# Altium PCB oai_cm_ext.PcbDoc
Units mm, origin at the board's own origin, x right, y up, seen from the top; angles counter-clockwise.
Board outline 124 x 75.52 mm, 4 copper layers (Top Layer, Signal Layer 1, Internal Plane 1, Bottom Layer), stack 1.48 mm thick; 144 components, 259 nets, 1062 pads, 0 vias.
Unrouted connection lines stored in the file: 360.
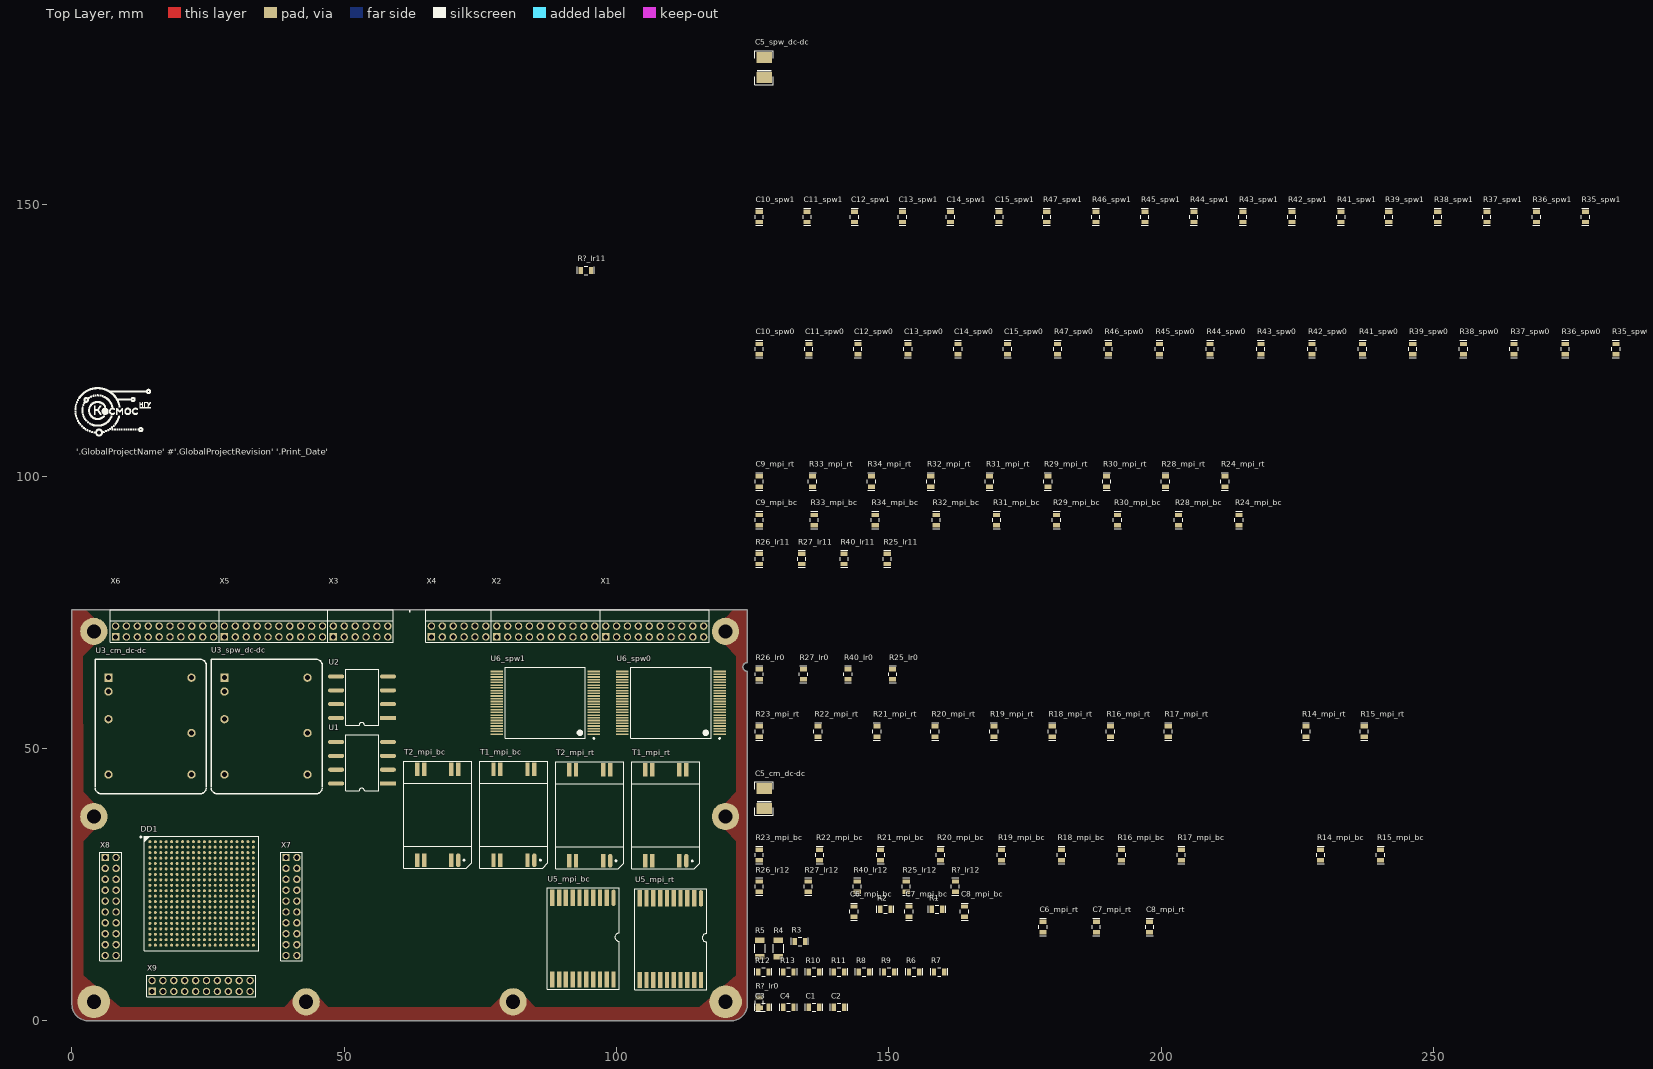
[diagram p0: Top Layer view]
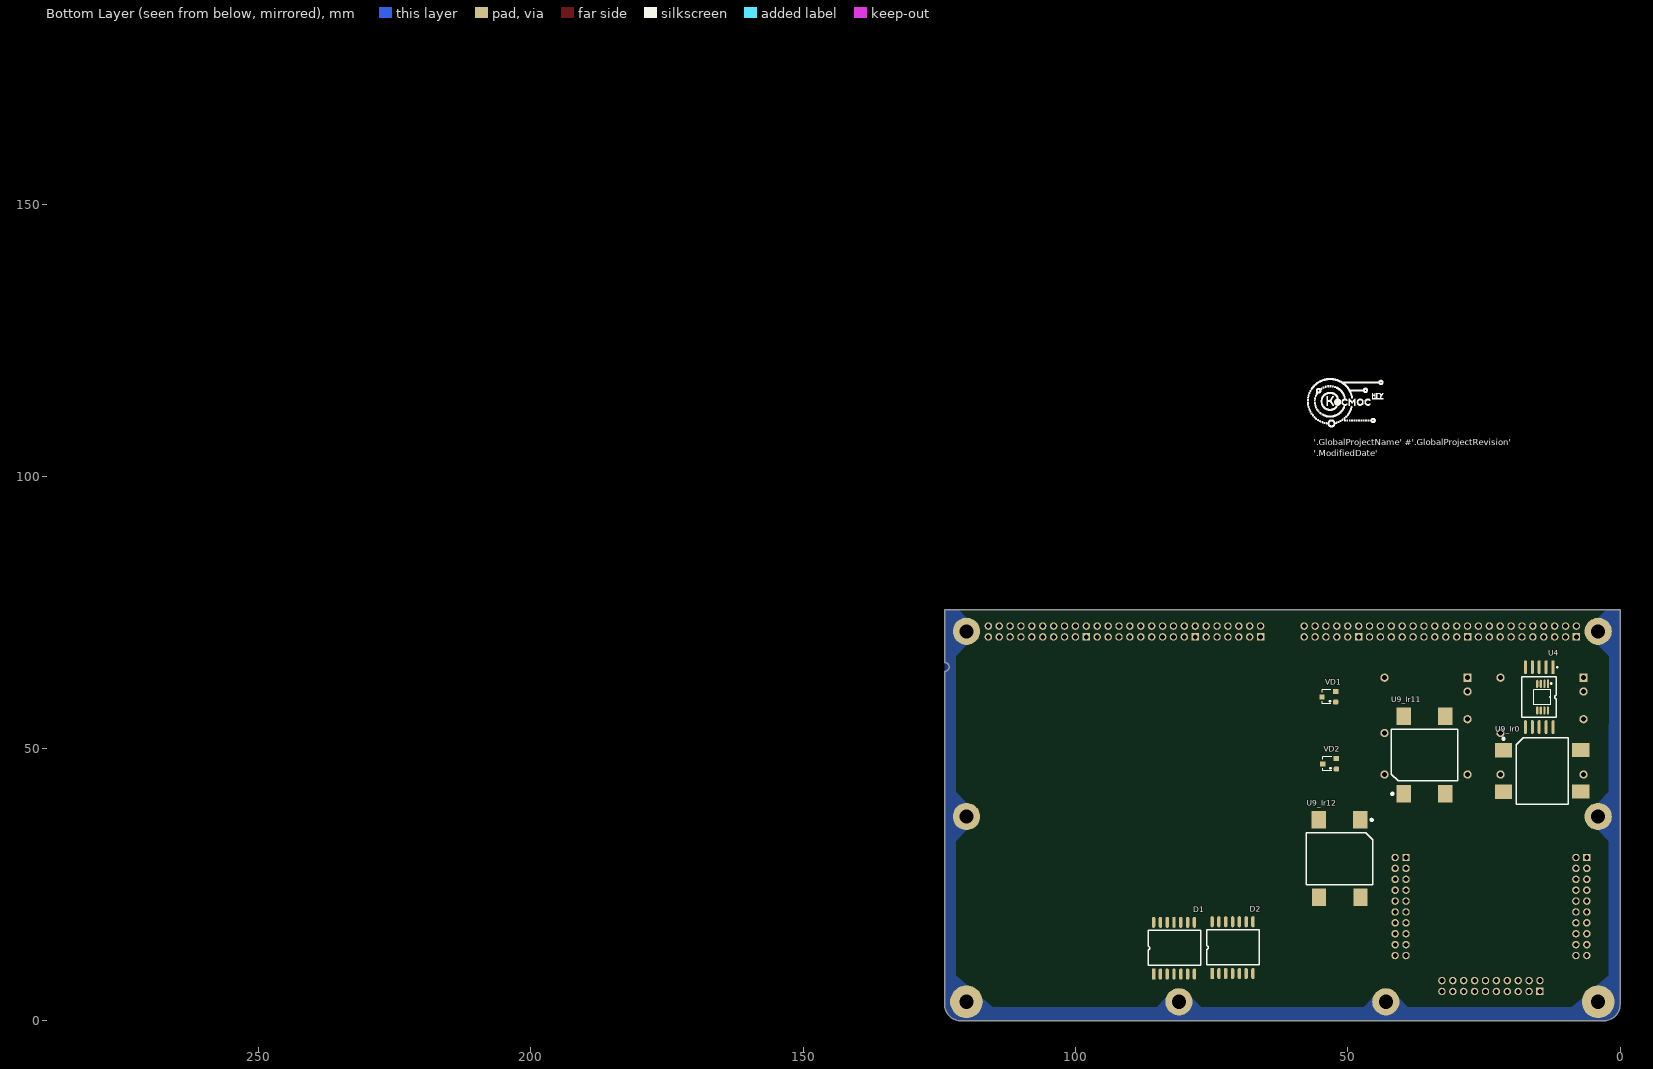
[diagram p1: Bottom Layer view, seen from below]
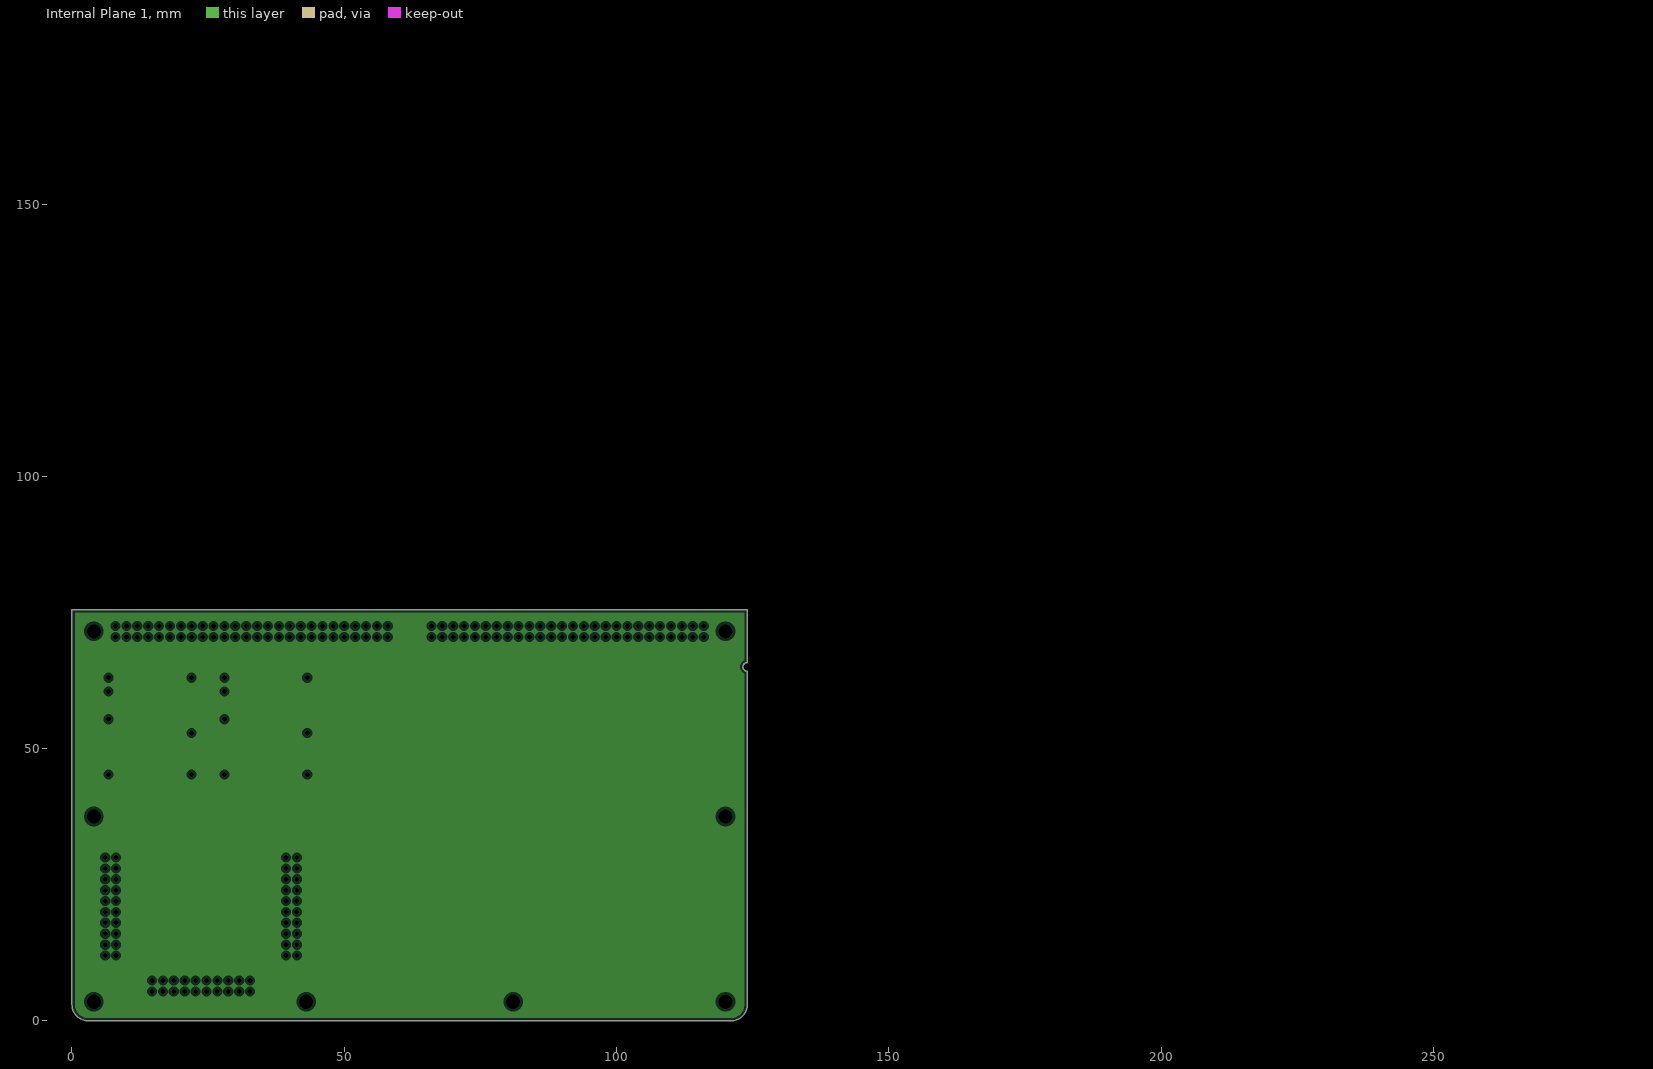
[diagram p2: Internal Plane 1, clearances drawn from the general rule]

## Layer stack, top to bottom
Top Solder: solder mask 0.01, Solder Resist, Dk 3.5
Top Layer: signal copper 0.035
Dielectric1: core 0.32, FR-4, Dk 4.8
Signal Layer 1: signal copper 0.035
Dielectric2: core 0.7, FR-4, Dk 4.8
Internal Plane 1: plane copper 0.035
Dielectric3: core 0.32, FR-4, Dk 4.8
Bottom Layer: signal copper 0.035
Bottom Solder: solder mask 0.01, Solder Resist, Dk 3.5

## Board outline
3,0 cw(c3,3) 0,3 0,75.5 124,75.5 124,75.517 124,65.8 ccw(c124,65) 124,64.2 124,3.017 124,3 cw(c121,3) 121,0

## Design rules (kind name [scope] priority, off if disabled: settings)
Clearance [All] p1: gap=0.254 ignorepadtopadclearanceinfootprint=FALSE except(0: Arc-Hole Track-Hole SMDPad-Hole THPad-Hole Via-Hole Fill-Hole Poly-Hole Region-Hole Text-Hole)
ComponentClearance [All] p1: gap=0.1 collisioncheckmode=3 verticalgap=0.254 showdistances=TRUE
HoleSize [All] p1: absolutevalues=TRUE maxlimit=3 minlimit=0.025 maxpercent=80.000 minpercent=20.000
PlaneClearance [All] p1: clearance=0.508
PlaneConnect [All] p1: planeconnectstyle=Relief reliefexpansion=0.508 reliefentries=4 reliefconductorwidth=0.254 reliefairgap=0.254
PolygonConnect CASE_to_bound [All vs (ObjectKind = 'Pad') And (AsMM(HoleDiameter) >= 2.5)] p1: connectstyle=Direct reliefconductorwidth=0.3 reliefentries=4 polygonreliefangle="90 Angle" airgapwidth=0.3
PolygonConnect [All] p2: connectstyle=Relief reliefconductorwidth=0.3 reliefentries=4 polygonreliefangle="90 Angle" airgapwidth=0.3
RoutingVias [All] p1: holewidth=0.3 width=0.6 viastyle="Through Hole" minholewidth=0.3 minwidth=0.6 maxholewidth=3 maxwidth=5
SolderMaskExpansion [All] p1: expansion=0.102 istentingtop=FALSE
Width [All] p1: maxlimit=3 minlimit=0.25 preferedwidth=0.5
26 further rules are at their usual default settings.

## Classes and differential pairs
component class lr12: C35_lr12 C36_lr12 R25_lr12 R26_lr12 R27_lr12 R40_lr12 R?_lr12 U9_lr12
component class mem_interface: X7 X8 X9
channel class spw_iso: spw0 spw1
channel class pwr_dc-dc: cm_dc-dc spw_dc-dc
channel class lin_reg: lr0 lr11
component class spw_dc-dc: C5_spw_dc-dc U3_spw_dc-dc
component class spw1: C10_spw1 C11_spw1 C12_spw1 C13_spw1 C14_spw1 C15_spw1 R35_spw1 R36_spw1 R37_spw1 R38_spw1 R39_spw1 R41_spw1 R42_spw1 R43_spw1 R44_spw1 R45_spw1 R46_spw1 R47_spw1 U6_spw1
component class spw0: C10_spw0 C11_spw0 C12_spw0 C13_spw0 C14_spw0 C15_spw0 R35_spw0 R36_spw0 R37_spw0 R38_spw0 R39_spw0 R41_spw0 R42_spw0 R43_spw0 R44_spw0 R45_spw0 R46_spw0 R47_spw0 U6_spw0
component class lr11: C35_lr1 C36_lr1 R25_lr11 R26_lr11 R27_lr11 R40_lr11 R?_lr11 U9_lr11
component class lr0: C35_lr0 C36_lr0 R25_lr0 R26_lr0 R27_lr0 R40_lr0 R?_lr0 U9_lr0
component class i_mon: R3 R4 R5 U4
component class cm_dc-dc: C5_cm_dc-dc U3_cm_dc-dc
channel class mpi_driver: mpi_bc mpi_rt
component class stm: D1 D2 R6 R7 R8 R9 R10 R11 R12 R13
component class mpi_rt: C6_mpi_rt C7_mpi_rt C8_mpi_rt C9_mpi_rt R14_mpi_rt R15_mpi_rt R16_mpi_rt R17_mpi_rt R18_mpi_rt R19_mpi_rt R20_mpi_rt R21_mpi_rt R22_mpi_rt R23_mpi_rt R24_mpi_rt R28_mpi_rt R29_mpi_rt R30_mpi_rt R31_mpi_rt R32_mpi_rt R33_mpi_rt R34_mpi_rt T1_mpi_rt T2_mpi_rt U5_mpi_rt
component class mpi_bc: C6_mpi_bc C7_mpi_bc C8_mpi_bc C9_mpi_bc R14_mpi_bc R15_mpi_bc R16_mpi_bc R17_mpi_bc R18_mpi_bc R19_mpi_bc R20_mpi_bc R21_mpi_bc R22_mpi_bc R23_mpi_bc R24_mpi_bc R28_mpi_bc R29_mpi_bc R30_mpi_bc R31_mpi_bc R32_mpi_bc R33_mpi_bc R34_mpi_bc T1_mpi_bc T2_mpi_bc U5_mpi_bc
component class ib: C1 C2 C3 C4 R1 R2 U1 U2 VD1 VD2
component class mcu_pwr: DD1
component class oai_cm_main: X1 X2 X3 X4 X5 X6

## Components (designator, comment, footprint, x,y, rotation, side; value= is the part's Value field where it differs from the comment)
C1 "0,22мкФ" SMD_C0805 135.3,2.5 r0 top
C2 "0,22мкФ" SMD_C0805 139.9,2.5 r0 top
C3 "0,22мкФ" SMD_C0805 126,2.5 r0 top
C4 "0,22мкФ" SMD_C0805 130.6,2.5 r0 top
C5_cm_dc-dc "10мкФх16В" SMD_size_B 127.1,39 r90 top (schematic designator C5)
C5_spw_dc-dc "10мкФх16В" SMD_size_B 127.1,173.2 r90 top (schematic designator C5)
C6_mpi_bc "10мкФ" SMD_C0805 143.6,19.1 r90 top (schematic designator C6)
C6_mpi_rt "10мкФ" SMD_C0805 178.3,16.3 r90 top (schematic designator C6)
C7_mpi_bc "0,1мкФ" SMD_C0805 153.7,19.1 r90 top (schematic designator C7)
C7_mpi_rt "0,1мкФ" SMD_C0805 188.1,16.3 r90 top (schematic designator C7)
C8_mpi_bc "10мкФ" SMD_C0805 163.9,19.1 r90 top (schematic designator C8)
C8_mpi_rt "10мкФ" SMD_C0805 197.9,16.3 r90 top (schematic designator C8)
C9_mpi_bc "0,1мкФ" SMD_C0805 126.2,91 r90 top (schematic designator C9)
C9_mpi_rt "0,1мкФ" SMD_C0805 126.2,98.1 r90 top (schematic designator C9)
C10_spw0 "10мкФ" SMD_C0805 126.2,122.4 r90 top (schematic designator C10)
C10_spw1 "10мкФ" SMD_C0805 126.2,146.7 r90 top (schematic designator C10)
C11_spw0 "0,1мкФ" SMD_C0805 135.3,122.4 r90 top (schematic designator C11)
C11_spw1 "0,1мкФ" SMD_C0805 135,146.7 r90 top (schematic designator C11)
C12_spw0 "0,1мкФ" SMD_C0805 144.3,122.4 r90 top (schematic designator C12)
C12_spw1 "0,1мкФ" SMD_C0805 143.7,146.7 r90 top (schematic designator C12)
C13_spw0 "10мкФ" SMD_C0805 153.5,122.4 r90 top (schematic designator C13)
C13_spw1 "10мкФ" SMD_C0805 152.5,146.7 r90 top (schematic designator C13)
C14_spw0 "0,1мкФ" SMD_C0805 162.7,122.4 r90 top (schematic designator C14)
C14_spw1 "0,1мкФ" SMD_C0805 161.3,146.7 r90 top (schematic designator C14)
C15_spw0 "0,1мкФ" SMD_C0805 171.8,122.4 r90 top (schematic designator C15)
C15_spw1 "0,1мкФ" SMD_C0805 170.2,146.7 r90 top (schematic designator C15)
D1 "249KP1S OSM" 401.14-4 85.65,8.6 r90 bottom
D2 "249KP1S OSM" 401.14-4 74.9,8.7 r90 bottom
DD1 "1921VK028" 8115.400-1 23.8,23.4 r0 top
R1 "120" SMD_0805 157.9,20.5 r0 top
R2 "120" SMD_0805 148.4,20.5 r0 top
R3 "50к" SMD_0805 132.7,14.6 r0 top
R4 "1" SMD_1206 129.7,11.8 r90 top
R5 "1" SMD_1206 126.3,11.8 r90 top
R6 "100" SMD_0805 153.7,9 r0 top
R7 "1к" SMD_0805 158.3,9 r0 top
R8 "100" SMD_0805 144.5,9 r0 top
R9 "1к" SMD_0805 149.1,9 r0 top
R10 "100" SMD_0805 135.3,9 r0 top
R11 "1к" SMD_0805 139.9,9 r0 top
R12 "100" SMD_0805 126,9 r0 top
R13 "1к" SMD_0805 130.6,9 r0 top
R14_mpi_bc "5к" SMD_0805 229.299,29.5 r90 top (schematic designator R14)
R14_mpi_rt "5к" SMD_0805 226.599,52.2 r90 top (schematic designator R14)
R15_mpi_bc "5к" SMD_0805 240.299,29.5 r90 top (schematic designator R15)
R15_mpi_rt "5к" SMD_0805 237.299,52.2 r90 top (schematic designator R15)
R16_mpi_bc "5к" SMD_0805 192.7,29.5 r90 top (schematic designator R16)
R16_mpi_rt "5к" SMD_0805 190.7,52.2 r90 top (schematic designator R16)
R17_mpi_bc "5к" SMD_0805 203.7,29.5 r90 top (schematic designator R17)
R17_mpi_rt "5к" SMD_0805 201.3,52.2 r90 top (schematic designator R17)
R18_mpi_bc "56" SMD_0805 181.7,29.5 r90 top (schematic designator R18)
R18_mpi_rt "56" SMD_0805 180,52.2 r90 top (schematic designator R18)
R19_mpi_bc "70" SMD_0805 170.7,29.5 r90 top (schematic designator R19)
R19_mpi_rt "70" SMD_0805 169.3,52.2 r90 top (schematic designator R19)
R20_mpi_bc "56" SMD_0805 159.5,29.5 r90 top (schematic designator R20)
R20_mpi_rt "56" SMD_0805 158.5,52.2 r90 top (schematic designator R20)
R21_mpi_bc "56" SMD_0805 148.5,29.5 r90 top (schematic designator R21)
R21_mpi_rt "56" SMD_0805 147.8,52.2 r90 top (schematic designator R21)
R22_mpi_bc "70" SMD_0805 137.3,29.5 r90 top (schematic designator R22)
R22_mpi_rt "70" SMD_0805 137,52.2 r90 top (schematic designator R22)
R23_mpi_bc "56" SMD_0805 126.2,29.5 r90 top (schematic designator R23)
R23_mpi_rt "56" SMD_0805 126.2,52.2 r90 top (schematic designator R23)
R24_mpi_bc "560" SMD_0805 214.3,91 r90 top (schematic designator R24)
R24_mpi_rt "560" SMD_0805 211.7,98.1 r90 top (schematic designator R24)
R25_lr0 "1.8к" SMD_0805 150.7,62.7 r90 top (schematic designator R25)
R25_lr11 "1.8к" SMD_0805 149.7,83.9 r90 top (schematic designator R25)
R25_lr12 "1.8к" SMD_0805 153.2,23.7 r90 top (schematic designator R25)
R26_lr0 "3к" SMD_0805 126.2,62.7 r90 top (schematic designator R26)
R26_lr11 "3к" SMD_0805 126.2,83.9 r90 top (schematic designator R26)
R26_lr12 "3к" SMD_0805 126.2,23.7 r90 top (schematic designator R26)
R27_lr0 "56к" SMD_0805 134.3,62.7 r90 top (schematic designator R27)
R27_lr11 "56к" SMD_0805 134,83.9 r90 top (schematic designator R27)
R27_lr12 "56к" SMD_0805 135.2,23.7 r90 top (schematic designator R27)
R28_mpi_bc "560" SMD_0805 203.2,91 r90 top (schematic designator R28)
R28_mpi_rt "560" SMD_0805 200.8,98.1 r90 top (schematic designator R28)
R29_mpi_bc "1к" SMD_0805 180.8,91 r90 top (schematic designator R29)
R29_mpi_rt "1к" SMD_0805 179.2,98.1 r90 top (schematic designator R29)
R30_mpi_bc "1к" SMD_0805 192,91 r90 top (schematic designator R30)
R30_mpi_rt "1к" SMD_0805 190,98.1 r90 top (schematic designator R30)
R31_mpi_bc "560" SMD_0805 169.8,91 r90 top (schematic designator R31)
R31_mpi_rt "560" SMD_0805 168.5,98.1 r90 top (schematic designator R31)
R32_mpi_bc "560" SMD_0805 158.7,91 r90 top (schematic designator R32)
R32_mpi_rt "560" SMD_0805 157.7,98.1 r90 top (schematic designator R32)
R33_mpi_bc "1к" SMD_0805 136.3,91 r90 top (schematic designator R33)
R33_mpi_rt "1к" SMD_0805 136,98.1 r90 top (schematic designator R33)
R34_mpi_bc "1к" SMD_0805 147.5,91 r90 top (schematic designator R34)
R34_mpi_rt "1к" SMD_0805 146.8,98.1 r90 top (schematic designator R34)
R35_spw0 "1к" SMD_0805 283.499,122.4 r90 top (schematic designator R35)
R35_spw1 "1к" SMD_0805 277.899,146.7 r90 top (schematic designator R35)
R36_spw0 "100" SMD_0805 274.199,122.4 r90 top (schematic designator R36)
R36_spw1 "100" SMD_0805 268.899,146.7 r90 top (schematic designator R36)
R37_spw0 "100" SMD_0805 264.799,122.4 r90 top (schematic designator R37)
R37_spw1 "100" SMD_0805 259.799,146.7 r90 top (schematic designator R37)
R38_spw0 "1к" SMD_0805 255.499,122.4 r90 top (schematic designator R38)
R38_spw1 "1к" SMD_0805 250.799,146.7 r90 top (schematic designator R38)
R39_spw0 "100" SMD_0805 246.199,122.4 r90 top (schematic designator R39)
R39_spw1 "100" SMD_0805 241.799,146.7 r90 top (schematic designator R39)
R40_lr0 "330" SMD_0805 142.5,62.7 r90 top (schematic designator R40)
R40_lr11 "330" SMD_0805 141.8,83.9 r90 top (schematic designator R40)
R40_lr12 "330" SMD_0805 144.2,23.7 r90 top (schematic designator R40)
R41_spw0 "100" SMD_0805 236.999,122.4 r90 top (schematic designator R41)
R41_spw1 "100" SMD_0805 232.999,146.7 r90 top (schematic designator R41)
R42_spw0 "100" SMD_0805 227.699,122.4 r90 top (schematic designator R42)
R42_spw1 "100" SMD_0805 224,146.7 r90 top (schematic designator R42)
R43_spw0 "1к" SMD_0805 218.3,122.4 r90 top (schematic designator R43)
R43_spw1 "1к" SMD_0805 215,146.7 r90 top (schematic designator R43)
R44_spw0 "100" SMD_0805 209,122.4 r90 top (schematic designator R44)
R44_spw1 "100" SMD_0805 206,146.7 r90 top (schematic designator R44)
R45_spw0 "1к" SMD_0805 199.7,122.4 r90 top (schematic designator R45)
R45_spw1 "1к" SMD_0805 197,146.7 r90 top (schematic designator R45)
R46_spw0 "100" SMD_0805 190.3,122.4 r90 top (schematic designator R46)
R46_spw1 "100" SMD_0805 188,146.7 r90 top (schematic designator R46)
R47_spw0 "100" SMD_0805 181,122.4 r90 top (schematic designator R47)
R47_spw1 "100" SMD_0805 179,146.7 r90 top (schematic designator R47)
R?_lr0 "0" SMD_0805 126.2,2.4 r90 top (schematic designator R?)
R?_lr11 "0" SMD_0805 93.4,137.8 r0 top (schematic designator R?)
R?_lr12 "0" SMD_0805 162.2,23.7 r90 top (schematic designator R?)
T1_mpi_bc "TIL-6V" TIL-6V 84.9,29.5 r90 top (schematic designator T1)
T1_mpi_rt "TIL-6V" TIL-6V 112.8,29.4 r90 top (schematic designator T1)
T2_mpi_bc "TIL-6V" TIL-6V 70.9,29.5 r90 top (schematic designator T2)
T2_mpi_rt "TIL-6V" TIL-6V 98.8,29.4 r90 top (schematic designator T2)
U1 "ISO1050" SOP-8_ISO1050 58.016,43.58 r180 top
U2 "ISO1050" SOP-8_ISO1050 58.016,55.62 r180 top
U3_cm_dc-dc "SLH28xx" SLH28xx 6.7,63.02 r0 top (schematic designator U3)
U3_spw_dc-dc "SLH28xx" SLH28xx 28,63.02 r0 top (schematic designator U3)
U4 "AD8212S" FlatPack-10_MSOP-8 12.3,64.95 r270 bottom
U5_mpi_bc "5559IN67T_OSM" 4153.20-6 99.45,22.6 r270 top (schematic designator U5)
U5_mpi_rt "5559IN67T_OSM" 4153.20-6 115.5,22.5 r270 top (schematic designator U5)
U6_spw0 "5575VV044" "MK 4159.48-1" 110,58.4 r180 top (schematic designator U6)
U6_spw1 "5575VV044" "MK 4159.48-1" 86.9,58.4 r180 top (schematic designator U6)
U9_lr0 "1278ER1T VP" 4116.4-3_offcut 21.4,49.7 r180 bottom (schematic designator U9)
U9_lr11 "1278ER1T VP" 4116.4-3_offcut 39.7,41.7 r90 bottom (schematic designator U9)
U9_lr12 "1278ER1T VP" 4116.4-3_offcut 47.7,36.9 r270 bottom (schematic designator U9)
VD1 "PESD2CAN" SOT-23 52.2,58.55 r0 bottom
VD2 "PESD2CAN" SOT-23 52.1,46.25 r0 bottom
X1 "Header 2X20" PLD2-20R 98,70.5 r90 top
X2 "Header 2X20" PLD2-20R 78,70.5 r90 top
X3 "Header 2X12" PLD2-12R 48,70.5 r90 top
X4 "Header 2X12" PLD2-12R 66,70.5 r90 top
X5 "Header 2X20" PLD2-20R 28,70.5 r90 top
X6 "Header 2X20" PLD2-20R 8,70.5 r90 top
X7 "Header 2X20" PLD2-20 39.3,30 r0 top
X8 "Header 2X20" PLD2-20 6.1,30 r0 top
X9 "Header 2X20" PLD2-20 14.7,5.4 r90 top

## Footprints (in the part's own frame and the unit in brackets; to place one, negate y for a bottom-side part, rotate by r counter-clockwise, add the part's x,y. Pads: shape width x height; smd on the part's side, far side on the other; paste and mask are expansions set on the pad)
401.14-4 [mm]
  rect 2.032x0.635 smd: 1(0,0)
  oval 2.032x0.635 smd: 2(0,-1.25) 3(0,-2.5) 4(0,-3.75) 5(0,-5) 6(0,-6.25) 7(0,-7.5) 8(9.5,-7.5) 9(9.5,-6.25) 10(9.5,-5) 11(9.5,-3.75) 12(9.5,-2.5) 13(9.5,-1.25) 14(9.5,0)
  silkscreen extent 1.65,-8.64 8,1.02, body extent -0.19,-8.75 9.71,1.25, height 1.4
4116.4-3_offcut [mm]
  rect 3.2x2.6 smd: 2(0,0) 8(0,-7.62) 11(14.2,-7.6) 17(14.2,0.02)
  silkscreen extent -0.2,-9.91 11.88,2.3, body extent -0.15,-9.8 14.35,2.2, height 3.35
4153.20-6 [mm]
  oval 3x0.8 smd: 1(0,0)
  rect 3x0.8 smd: 2(0,-1.25) 3(0,-2.5) 4(0,-3.75) 5(0,-5) 6(0,-6.25) 7(0,-7.5) 8(0,-8.75) 9(0,-10) 10(0,-11.25) 11(15,-11.25) 12(15,-10) 13(15,-8.75) 14(15,-7.5) 15(15,-6.25) 16(15,-5) 17(15,-3.75) 18(15,-2.5) 19(15,-1.25) 20(15,0)
  silkscreen extent -1.8,-12.19 16.8,1.02, body extent -1.25,-12.1 16.25,0.9, height 3.04
8115.400-1 [mm]
  round 0.55 smd: A1(-9.5,9.5) A2(-8.5,9.5) A3(-7.5,9.5) A4(-6.5,9.5) A5(-5.5,9.5) A6(-4.5,9.5) A7(-3.5,9.5) A8(-2.5,9.5) A9(-1.5,9.5) A10(-0.5,9.5) A11(0.5,9.5) A12(1.5,9.5) A13(2.5,9.5) A14(3.5,9.5) A15(4.5,9.5) A16(5.5,9.5) A17(6.5,9.5) A18(7.5,9.5) A19(8.5,9.5) A20(9.5,9.5) B1(-9.5,8.5) B2(-8.5,8.5) B3(-7.5,8.5) B4(-6.5,8.5) B5(-5.5,8.5) B6(-4.5,8.5) B7(-3.5,8.5) B8(-2.5,8.5) B9(-1.5,8.5) B10(-0.5,8.5) B11(0.5,8.5) B12(1.5,8.5) B13(2.5,8.5) B14(3.5,8.5) B15(4.5,8.5) B16(5.5,8.5) B17(6.5,8.5) B18(7.5,8.5) B19(8.5,8.5) B20(9.5,8.5) C1(-9.5,7.5) C2(-8.5,7.5) C3(-7.5,7.5) C4(-6.5,7.5) C5(-5.5,7.5) C6(-4.5,7.5) C7(-3.5,7.5) C8(-2.5,7.5) C9(-1.5,7.5) C10(-0.5,7.5) C11(0.5,7.5) C12(1.5,7.5) C13(2.5,7.5) C14(3.5,7.5) C15(4.5,7.5) C16(5.5,7.5) C17(6.5,7.5) C18(7.5,7.5) C19(8.5,7.5) C20(9.5,7.5) D1(-9.5,6.5) D2(-8.5,6.5) D3(-7.5,6.5) D4(-6.5,6.5) D5(-5.5,6.5) D6(-4.5,6.5) D7(-3.5,6.5) D8(-2.5,6.5) D9(-1.5,6.5) D10(-0.5,6.5) D11(0.5,6.5) D12(1.5,6.5) D13(2.5,6.5) D14(3.5,6.5) D15(4.5,6.5) D16(5.5,6.5) D17(6.5,6.5) D18(7.5,6.5) D19(8.5,6.5) D20(9.5,6.5) E1(-9.5,5.5) E2(-8.5,5.5) E3(-7.5,5.5) E4(-6.5,5.5) E5(-5.5,5.5) E6(-4.5,5.5) E7(-3.5,5.5) E8(-2.5,5.5) E9(-1.5,5.5) E10(-0.5,5.5) E11(0.5,5.5) E12(1.5,5.5) E13(2.5,5.5) E14(3.5,5.5) E15(4.5,5.5) E16(5.5,5.5) E17(6.5,5.5) E18(7.5,5.5) E19(8.5,5.5) E20(9.5,5.5) F1(-9.5,4.5) F2(-8.5,4.5) F3(-7.5,4.5) F4(-6.5,4.5) F5(-5.5,4.5) F6(-4.5,4.5) F7(-3.5,4.5) F8(-2.5,4.5) F9(-1.5,4.5) F10(-0.5,4.5) F11(0.5,4.5) F12(1.5,4.5) F13(2.5,4.5) F14(3.5,4.5) F15(4.5,4.5) F16(5.5,4.5) F17(6.5,4.5) F18(7.5,4.5) F19(8.5,4.5) F20(9.5,4.5) G1(-9.5,3.5) G2(-8.5,3.5) G3(-7.5,3.5) G4(-6.5,3.5) G5(-5.5,3.5) G6(-4.5,3.5) G7(-3.5,3.5) G8(-2.5,3.5) G9(-1.5,3.5) G10(-0.5,3.5) G11(0.5,3.5) G12(1.5,3.5) G13(2.5,3.5) G14(3.5,3.5) G15(4.5,3.5) G16(5.5,3.5) G17(6.5,3.5) G18(7.5,3.5) G19(8.5,3.5) G20(9.5,3.5) H1(-9.5,2.5) H2(-8.5,2.5) H3(-7.5,2.5) H4(-6.5,2.5) H5(-5.5,2.5) H6(-4.5,2.5) H7(-3.5,2.5) H8(-2.5,2.5) H9(-1.5,2.5) H10(-0.5,2.5) H11(0.5,2.5) H12(1.5,2.5) H13(2.5,2.5) H14(3.5,2.5) H15(4.5,2.5) H16(5.5,2.5) H17(6.5,2.5) H18(7.5,2.5) H19(8.5,2.5) H20(9.5,2.5) J1(-9.5,1.5) J2(-8.5,1.5) J3(-7.5,1.5) J4(-6.5,1.5) J5(-5.5,1.5) J6(-4.5,1.5) J7(-3.5,1.5) J8(-2.5,1.5) J9(-1.5,1.5) J10(-0.5,1.5) J11(0.5,1.5) J12(1.5,1.5) J13(2.5,1.5) J14(3.5,1.5) J15(4.5,1.5) J16(5.5,1.5) J17(6.5,1.5) J18(7.5,1.5) J19(8.5,1.5) J20(9.5,1.5) K1(-9.5,0.5) K2(-8.5,0.5) K3(-7.5,0.5) K4(-6.5,0.5) K5(-5.5,0.5) K6(-4.5,0.5) K7(-3.5,0.5) K8(-2.5,0.5) K9(-1.5,0.5) K10(-0.5,0.5) K11(0.5,0.5) K12(1.5,0.5) K13(2.5,0.5) K14(3.5,0.5) K15(4.5,0.5) K16(5.5,0.5) K17(6.5,0.5) K18(7.5,0.5) K19(8.5,0.5) K20(9.5,0.5) L1(-9.5,-0.5) L2(-8.5,-0.5) L3(-7.5,-0.5) L4(-6.5,-0.5) L5(-5.5,-0.5) L6(-4.5,-0.5) L7(-3.5,-0.5) L8(-2.5,-0.5) L9(-1.5,-0.5) L10(-0.5,-0.5) L11(0.5,-0.5) L12(1.5,-0.5) L13(2.5,-0.5) L14(3.5,-0.5) L15(4.5,-0.5) L16(5.5,-0.5) L17(6.5,-0.5) L18(7.5,-0.5) L19(8.5,-0.5) L20(9.5,-0.5) M1(-9.5,-1.5) M2(-8.5,-1.5) M3(-7.5,-1.5) M4(-6.5,-1.5) M5(-5.5,-1.5) M6(-4.5,-1.5) M7(-3.5,-1.5) M8(-2.5,-1.5) M9(-1.5,-1.5) M10(-0.5,-1.5) M11(0.5,-1.5) M12(1.5,-1.5) M13(2.5,-1.5) M14(3.5,-1.5) M15(4.5,-1.5) M16(5.5,-1.5) M17(6.5,-1.5) M18(7.5,-1.5) M19(8.5,-1.5) M20(9.5,-1.5) N1(-9.5,-2.5) N2(-8.5,-2.5) N3(-7.5,-2.5) N4(-6.5,-2.5) N5(-5.5,-2.5) N6(-4.5,-2.5) N7(-3.5,-2.5) N8(-2.5,-2.5) N9(-1.5,-2.5) N10(-0.5,-2.5) N11(0.5,-2.5) N12(1.5,-2.5) N13(2.5,-2.5) N14(3.5,-2.5) N15(4.5,-2.5) N16(5.5,-2.5) N17(6.5,-2.5) N18(7.5,-2.5) N19(8.5,-2.5) N20(9.5,-2.5) P1(-9.5,-3.5) P2(-8.5,-3.5) P3(-7.5,-3.5) P4(-6.5,-3.5) P5(-5.5,-3.5) P6(-4.5,-3.5) P7(-3.5,-3.5) P8(-2.5,-3.5) P9(-1.5,-3.5) P10(-0.5,-3.5) P11(0.5,-3.5) P12(1.5,-3.5) P13(2.5,-3.5) P14(3.5,-3.5) P15(4.5,-3.5) P16(5.5,-3.5) P17(6.5,-3.5) P18(7.5,-3.5) P19(8.5,-3.5) P20(9.5,-3.5) Q1(-9.5,-4.5) Q2(-8.5,-4.5) Q3(-7.5,-4.5) Q4(-6.5,-4.5) Q5(-5.5,-4.5) Q6(-4.5,-4.5) Q7(-3.5,-4.5) Q8(-2.5,-4.5) Q9(-1.5,-4.5) Q10(-0.5,-4.5) Q11(0.5,-4.5) Q12(1.5,-4.5) Q13(2.5,-4.5) Q14(3.5,-4.5) Q15(4.5,-4.5) Q16(5.5,-4.5) Q17(6.5,-4.5) Q18(7.5,-4.5) Q19(8.5,-4.5) Q20(9.5,-4.5) R1(-9.5,-5.5) R2(-8.5,-5.5) R3(-7.5,-5.5) R4(-6.5,-5.5) R5(-5.5,-5.5) R6(-4.5,-5.5) R7(-3.5,-5.5) R8(-2.5,-5.5) R9(-1.5,-5.5) R10(-0.5,-5.5) R11(0.5,-5.5) R12(1.5,-5.5) R13(2.5,-5.5) R14(3.5,-5.5) R15(4.5,-5.5) R16(5.5,-5.5) R17(6.5,-5.5) R18(7.5,-5.5) R19(8.5,-5.5) R20(9.5,-5.5) S1(-9.5,-6.5) S2(-8.5,-6.5) S3(-7.5,-6.5) S4(-6.5,-6.5) S5(-5.5,-6.5) S6(-4.5,-6.5) S7(-3.5,-6.5) S8(-2.5,-6.5) S9(-1.5,-6.5) S10(-0.5,-6.5) S11(0.5,-6.5) S12(1.5,-6.5) S13(2.5,-6.5) S14(3.5,-6.5) S15(4.5,-6.5) S16(5.5,-6.5) S17(6.5,-6.5) S18(7.5,-6.5) S19(8.5,-6.5) S20(9.5,-6.5) T1(-9.5,-7.5) T2(-8.5,-7.5) T3(-7.5,-7.5) T4(-6.5,-7.5) T5(-5.5,-7.5) T6(-4.5,-7.5) T7(-3.5,-7.5) T8(-2.5,-7.5) T9(-1.5,-7.5) T10(-0.5,-7.5) T11(0.5,-7.5) T12(1.5,-7.5) T13(2.5,-7.5) T14(3.5,-7.5) T15(4.5,-7.5) T16(5.5,-7.5) T17(6.5,-7.5) T18(7.5,-7.5) T19(8.5,-7.5) T20(9.5,-7.5) U1(-9.5,-8.5) U2(-8.5,-8.5) U3(-7.5,-8.5) U4(-6.5,-8.5) U5(-5.5,-8.5) U6(-4.5,-8.5) U7(-3.5,-8.5) U8(-2.5,-8.5) U9(-1.5,-8.5) U10(-0.5,-8.5) U11(0.5,-8.5) U12(1.5,-8.5) U13(2.5,-8.5) U14(3.5,-8.5) U15(4.5,-8.5) U16(5.5,-8.5) U17(6.5,-8.5) U18(7.5,-8.5) U19(8.5,-8.5) U20(9.5,-8.5) V1(-9.5,-9.5) V2(-8.5,-9.5) V3(-7.5,-9.5) V4(-6.5,-9.5) V5(-5.5,-9.5) V6(-4.5,-9.5) V7(-3.5,-9.5) V8(-2.5,-9.5) V9(-1.5,-9.5) V10(-0.5,-9.5) V11(0.5,-9.5) V12(1.5,-9.5) V13(2.5,-9.5) V14(3.5,-9.5) V15(4.5,-9.5) V16(5.5,-9.5) V17(6.5,-9.5) V18(7.5,-9.5) V19(8.5,-9.5) V20(9.5,-9.5)